# Altium PCB Power_Card_Lahiru.PcbDoc (part 1 of 2)
Units mm, origin at the board's own origin, x right, y up, seen from the top; angles counter-clockwise.
Board outline 100 x 100 mm, 2 copper layers (Top Layer, Bottom Layer), stack 1.595 mm thick; 182 components, 119 nets, 548 pads, 256 vias.
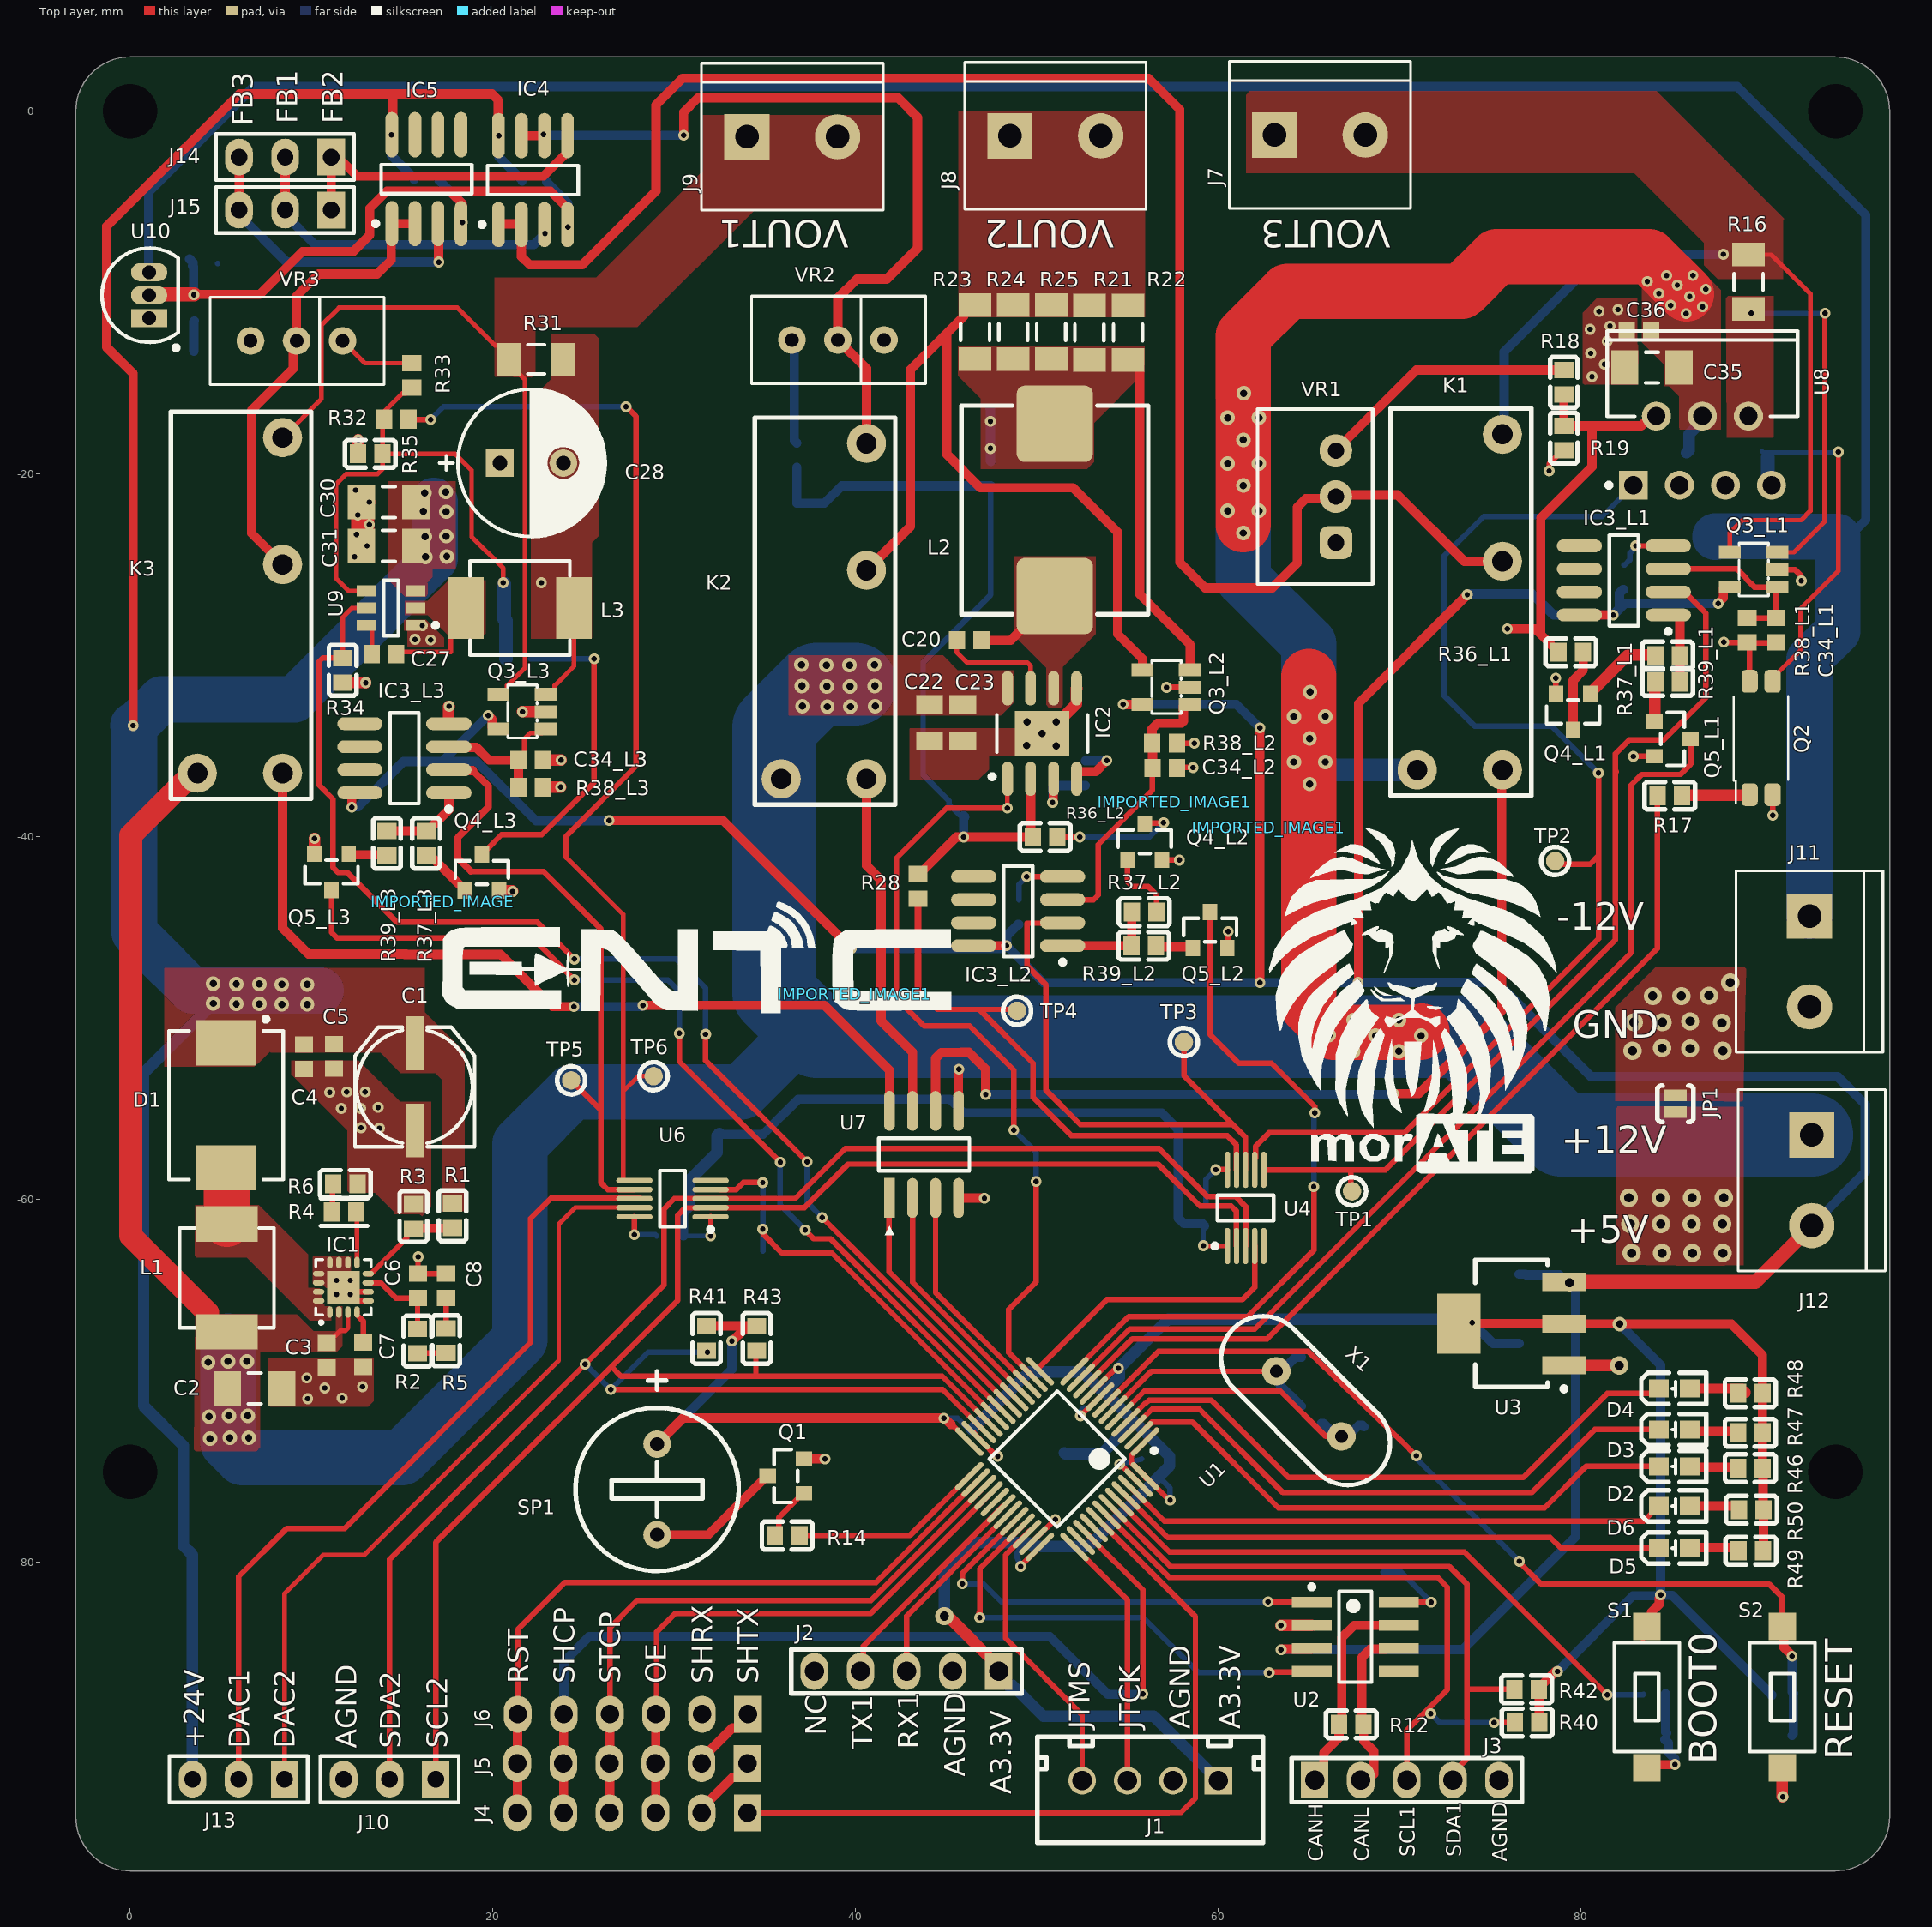
[diagram p0: Top Layer view]
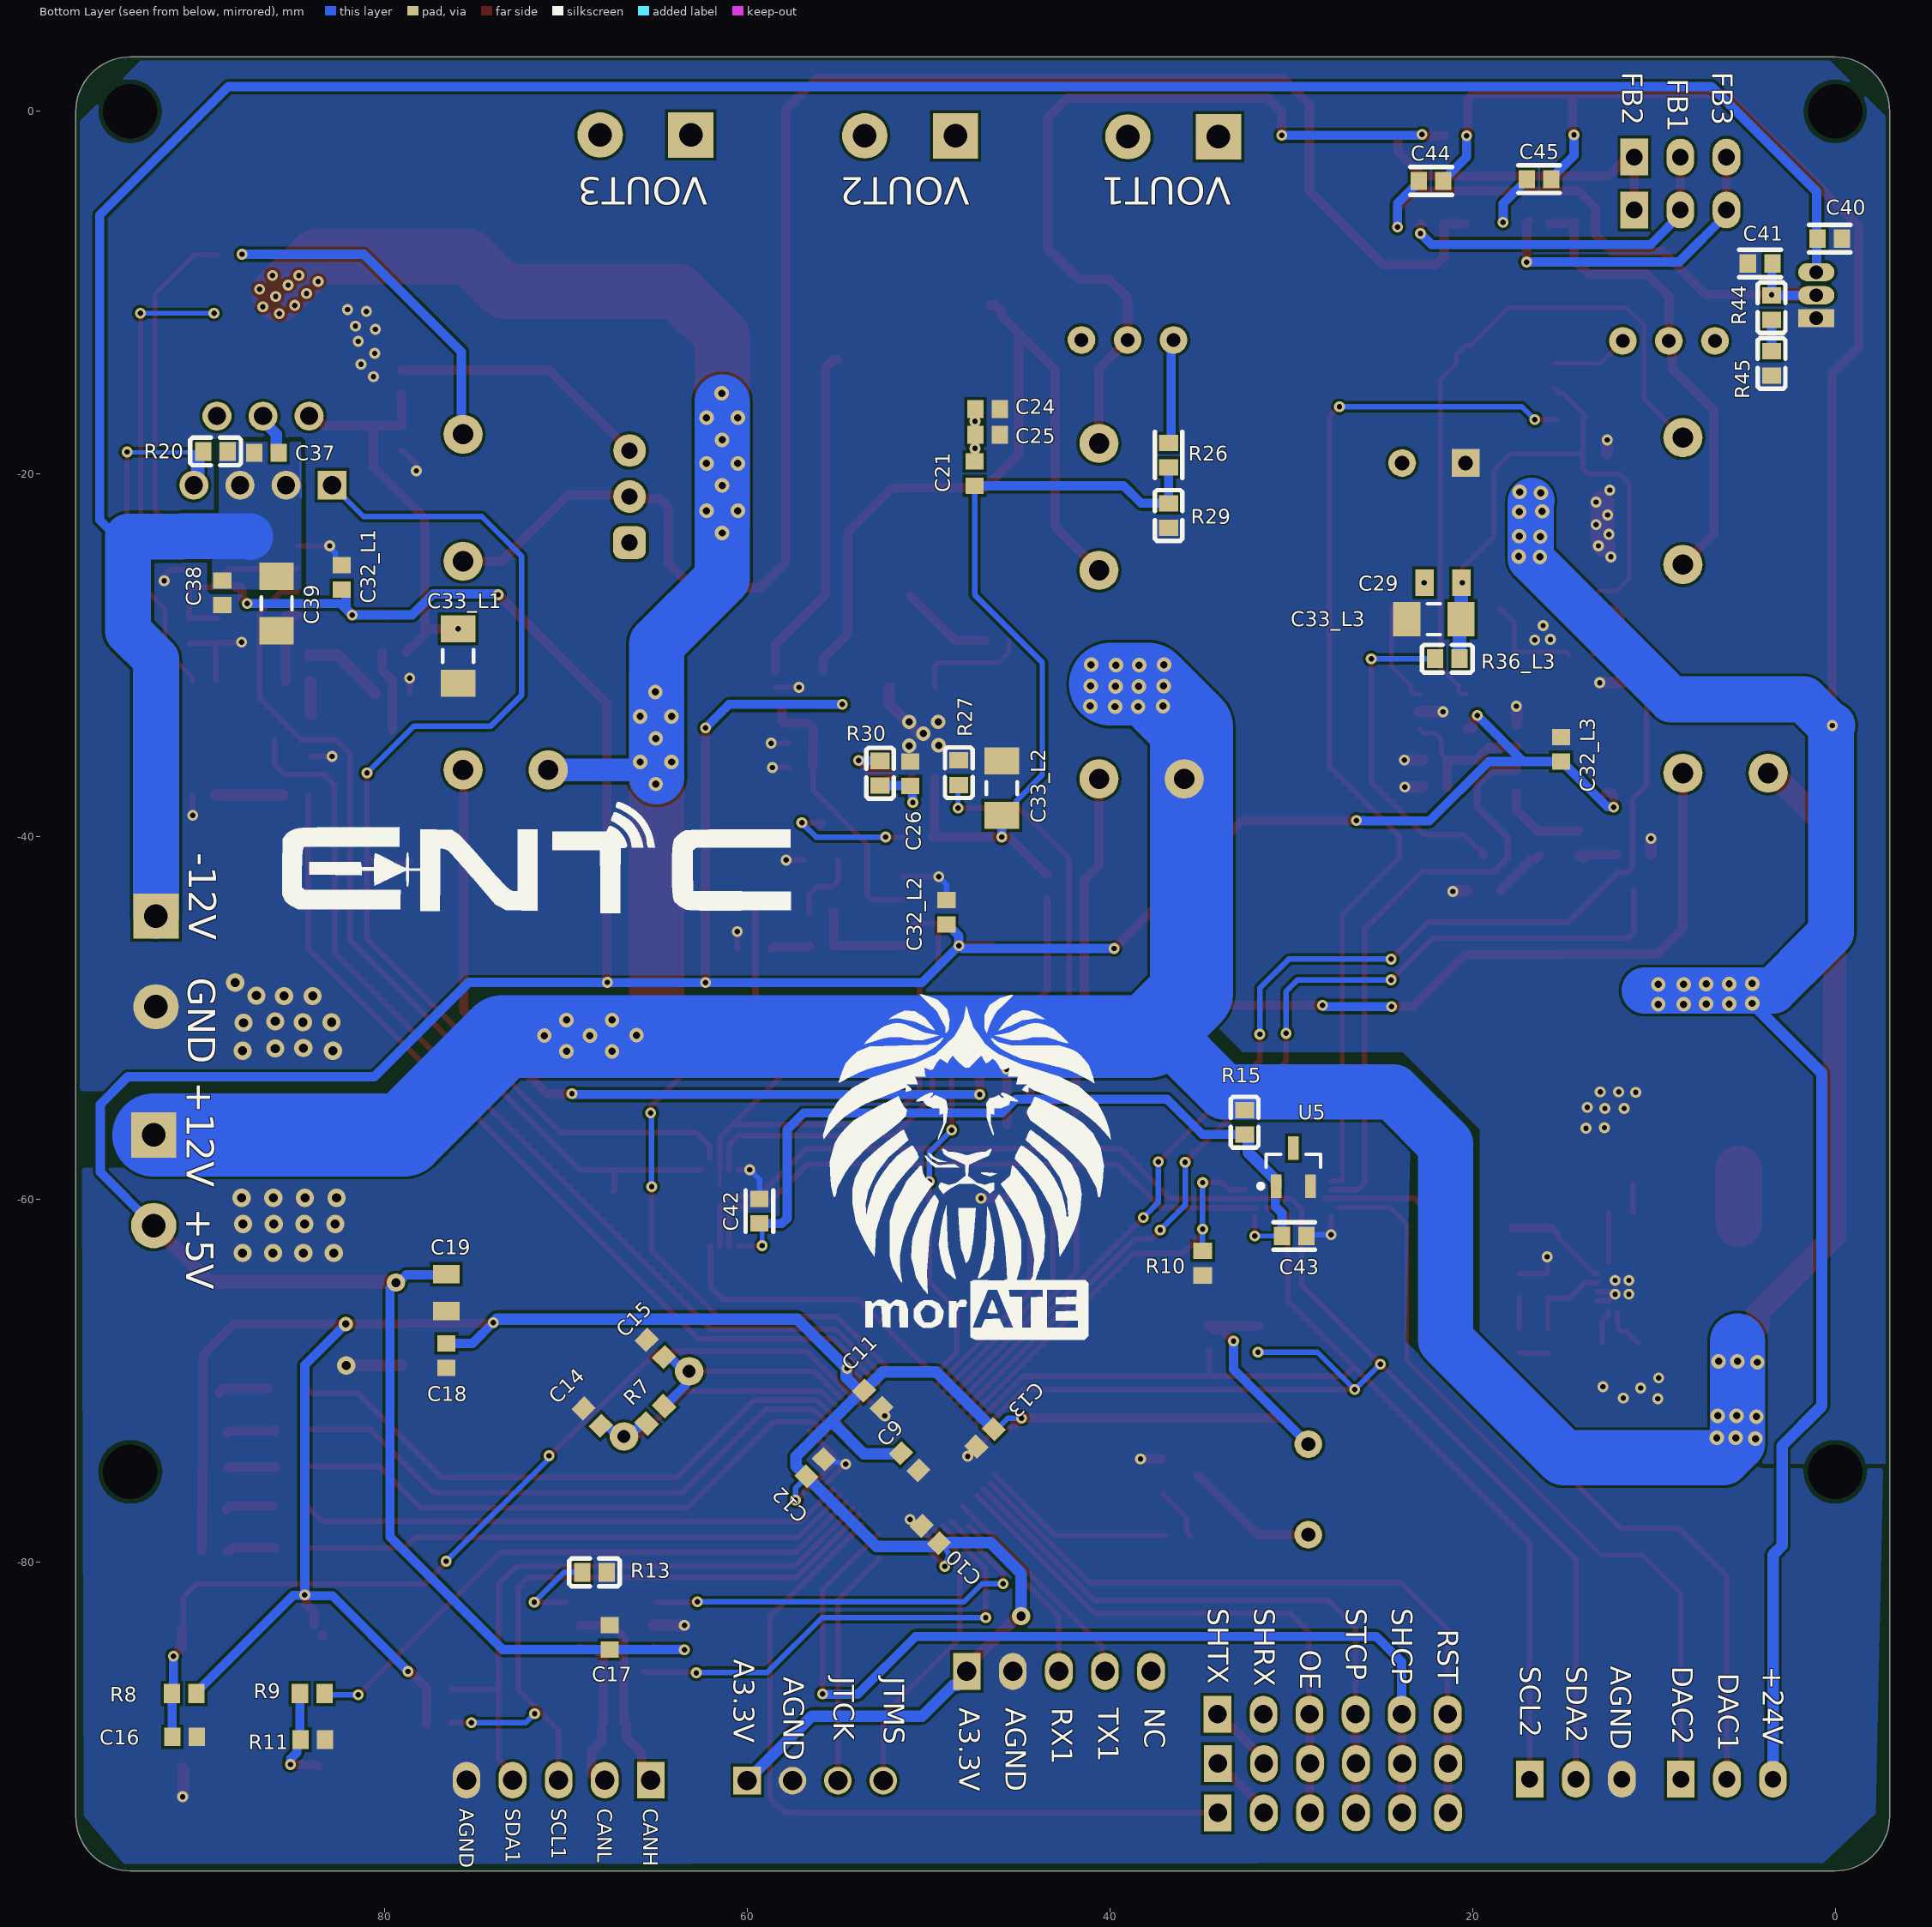
[diagram p1: Bottom Layer view, seen from below]
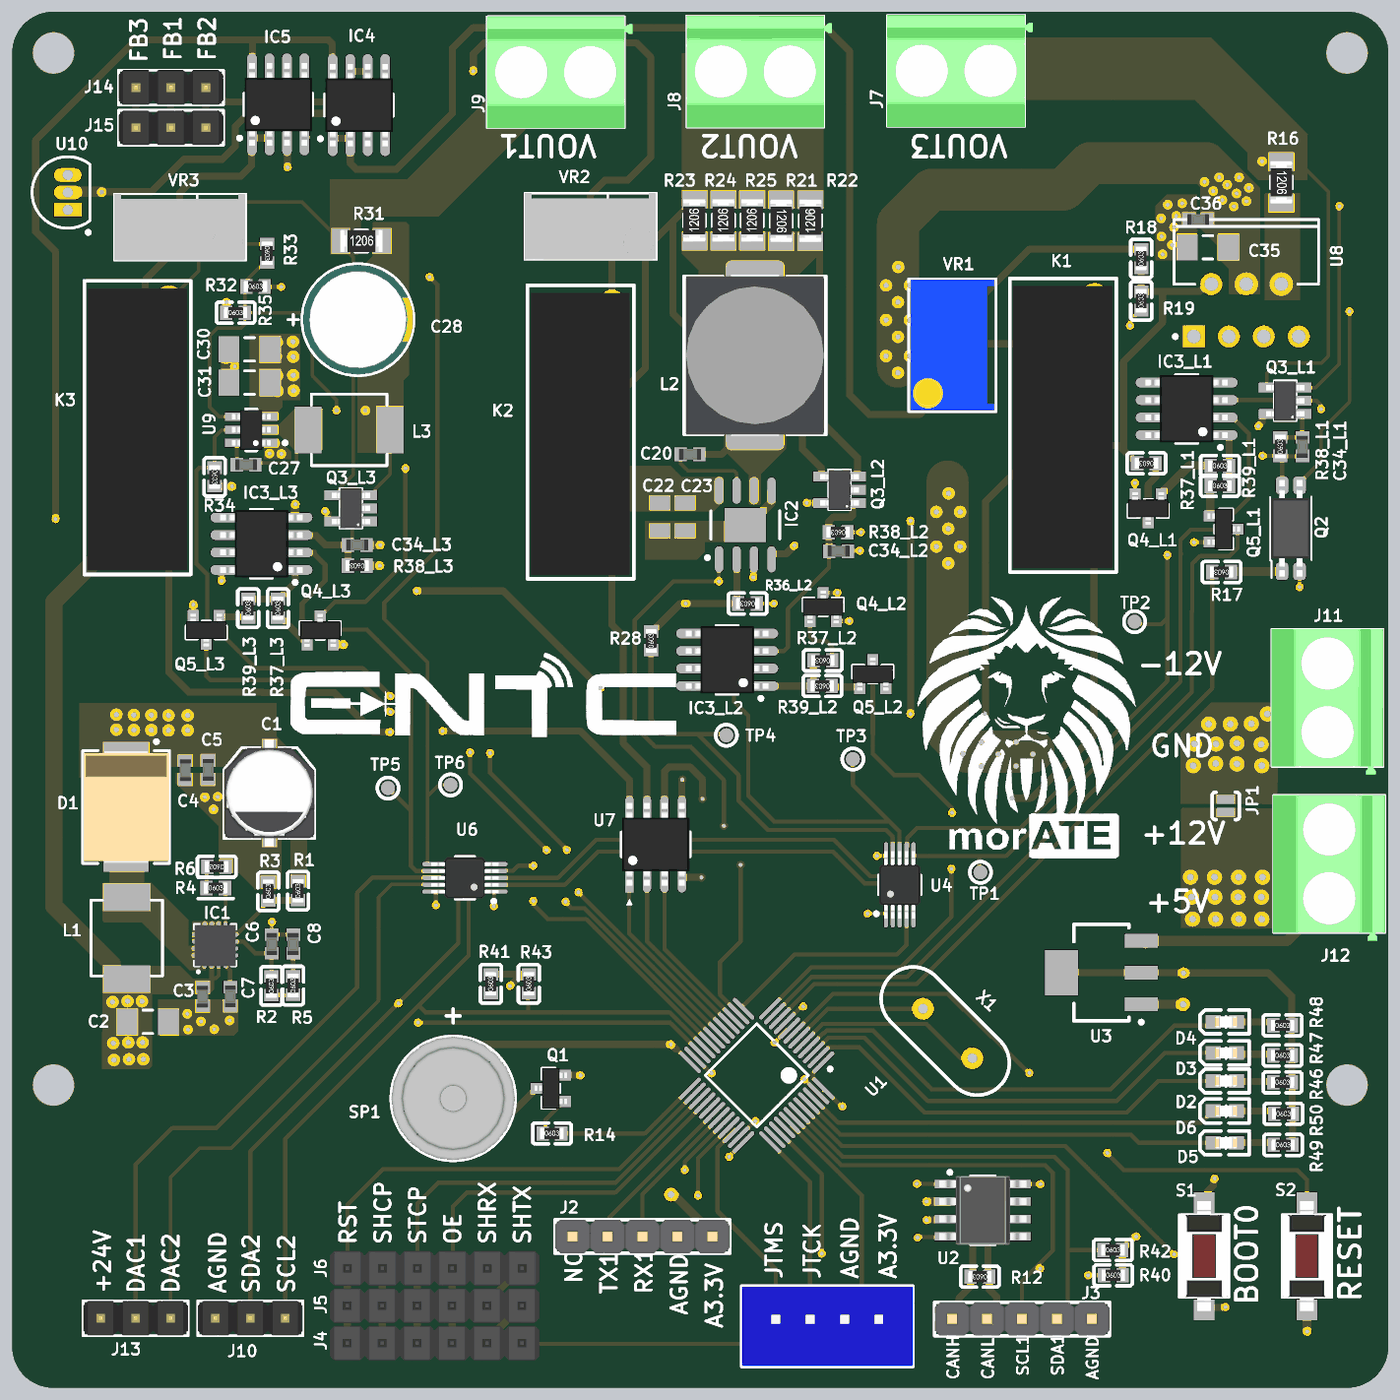
[diagram p3: 3D render of the assembled board from above, using the file's embedded part models]
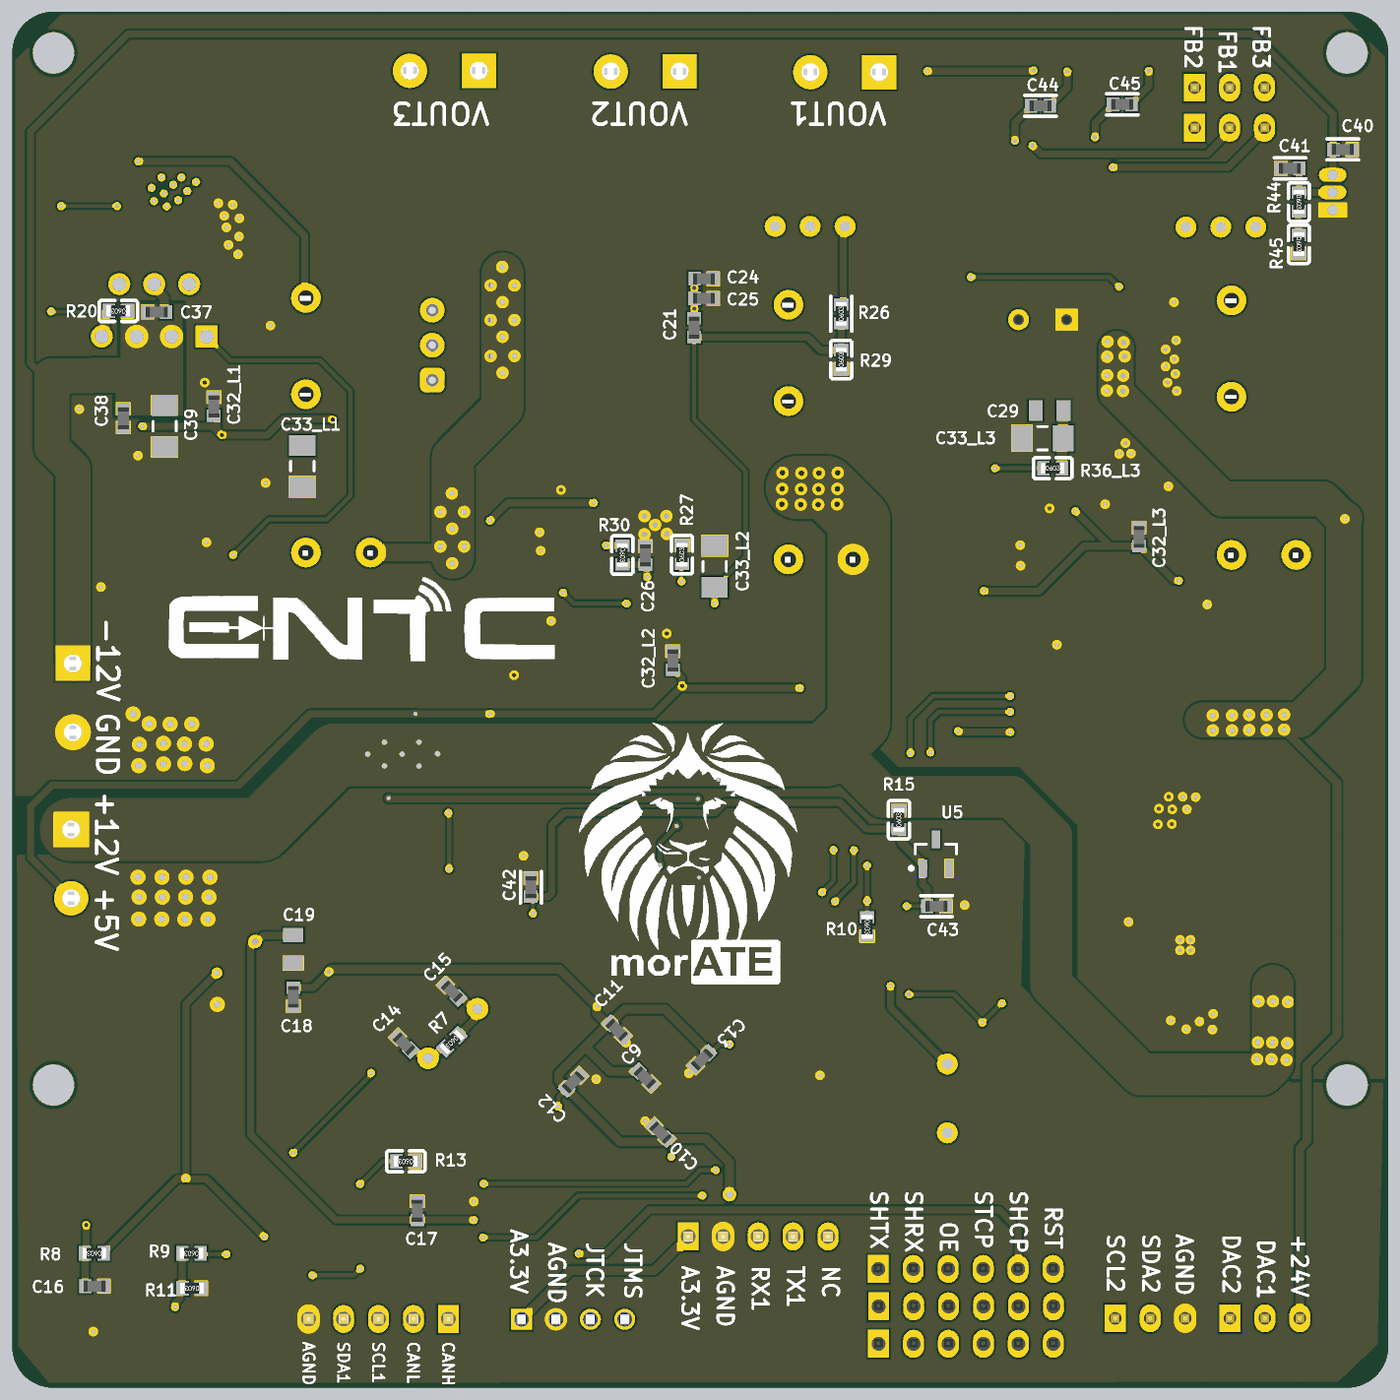
[diagram p4: 3D render of the assembled board from below, using the file's embedded part models]

## Layer stack, top to bottom
Top Solder: solder mask 0.0254, Solder Resist, Dk 3.5
Top Layer: signal copper 0.0356
Dielectric 1: core 1.524, FR-4, Dk 4.6
Bottom Layer: signal copper 0.0356
Bottom Solder: solder mask 0.0254, Solder Resist, Dk 3.5

## Board outline
-3,-94 -3,0 cw(c0,0) 0,3 94,3 cw(c94,0) 97,0 97,-94 cw(c94,-94) 94,-97 0,-97 cw(c0,-94)

## Design rules (kind name [scope] priority, off if disabled: settings)
BoardOutlineClearance [All] p1: gap=0.2 ignorepadtopadclearanceinfootprint=FALSE
Clearance [All] p1: gap=0.152 ignorepadtopadclearanceinfootprint=FALSE except(0.25: Arc-Hole Track-Hole SMDPad-Hole THPad-Hole Via-Hole Fill-Hole Poly-Hole Region-Hole Text-Hole; 0.254: Fill-Fill Fill-Poly Fill-Region Poly-Poly Poly-Region Region-Region)
ComponentClearance [All] p1: gap=0.127 collisioncheckmode=3 verticalgap=0.127 showdistances=TRUE
DiffPairsRouting [All] p1: maxlimit=0.254 minlimit=0.127 mostfreqgap=0.127 toplayer_minwidth=0.127 toplayer_maxwidth=25.4 toplayer_prefwidth=0.127 bottomlayer_minwidth=0.127 bottomlayer_maxwidth=25.4 bottomlayer_prefwidth=0.127 maxuncoupledlength=12.7
Height [All] p1: minheight=0 maxheight=1816.048 prefheight=12.7
HoleSize [All] p1: absolutevalues=TRUE maxlimit=6.3 minlimit=0.3 maxpercent=80.000 minpercent=20.000
HoleToHoleClearance [All] p1: gap=0.25 allowstackedmicrovias=FALSE
MinimumAnnularRing [All] p1: minimumring=0.076
MinimumSolderMaskSliver [All] p1: minsoldermaskwidth=0
PlaneClearance [All] p1: clearance=0.127
PlaneConnect PlaneConnectPowerPads [InPadClass('PowerPads')] p1: planeconnectstyle=Direct reliefexpansion=0.508 reliefentries=4 reliefconductorwidth=0.254 reliefairgap=0.254
PlaneConnect [All] p2: pad.planeconnectstyle=Relief pad.reliefexpansion=0.3 pad.reliefentries=4 pad.reliefconductorwidth=0.127 pad.reliefairgap=0.127 via.planeconnectstyle=Direct via.reliefexpansion=0.3 via.reliefentries=4 via.reliefconductorwidth=0.127 via.reliefairgap=0.127
PolygonConnect PolygonConnectPowerPads [All vs (InPadClass('PowerPads'))] p1: connectstyle=Direct reliefconductorwidth=0.254 reliefentries=4 polygonreliefangle="90 Angle" airgapwidth=0.254
PolygonConnect [All] p2: connectstyle=Direct reliefconductorwidth=0.127 reliefentries=4 polygonreliefangle="90 Angle" airgapwidth=0.127
RoutingVias [All] p1: holewidth=0.3 width=0.6 viastyle="Through Hole" minholewidth=0.3 minwidth=0.6 maxholewidth=0.6 maxwidth=6.6
SilkToBoardRegionClearance SilkToBoardRegionClearance_1 [All] p2:
SilkToSilkClearance [All] p1: silktosilkclearance=0
SilkToSolderMaskClearance [IsPad] p1: minsilkscreentomaskgap=0.127 clearancetoexposedcopper=TRUE
SolderMaskExpansion [All] p1: expansion=0.05
Width [All] p1: maxlimit=25.4 minlimit=0.127 preferedwidth=0.508 minimp=50.000000 maximp=50.000000 favimp=50.000000
20 further rules are at their usual default settings.

## Classes and differential pairs
channel class Power_Supply_Current_Limit: L1 L2 L3
component class PS3: C27 C28 C29 C30 C31 K3 L3 R31 R32 R33 R34 R35 U9 VR3
component class PS2: C20 C21 C22 C23 C24 C25 C26 IC2 K2 L2 R21 R22 R23 R24 R25 R26 R27 R28 R29 R30 VR2
component class PS1: C35 C36 C37 C38 C39 K1 Q2 R16 R17 R18 R19 R20 U8 VR1
component class Power_Card: C40 C41 C42 C43 C44 C45 IC4 IC5 J7 J8 J9 J10 J11 J12 J13 J14 J15 R15 R44 R45 TP1 TP2 TP3 TP4 TP5 TP6 U4 U5 U6 U7 U10
component class MCU: C9 C10 C11 C12 C13 C14 C15 C16 C17 C18 C19 D2 D3 D4 D5 D6 J1 J2 J3 J4 J5 J6 JP1 Q1 R7 R8 R9 R10 R11 R12 R13 R14 R40 R41 R42 R43 R46 R47 R48 R49 R50 S1 S2 SP1 U1 U2 U3 X1
component class L3: C32_L3 C33_L3 C34_L3 IC3_L3 Q3_L3 Q4_L3 Q5_L3 R36_L3 R37_L3 R38_L3 R39_L3
component class L2: C32_L2 C33_L2 C34_L2 IC3_L2 Q3_L2 Q4_L2 Q5_L2 R36_L2 R37_L2 R38_L2 R39_L2
component class L1: C32_L1 C33_L1 C34_L1 IC3_L1 Q3_L1 Q4_L1 Q5_L1 R36_L1 R37_L1 R38_L1 R39_L1
component class 24VBoost: C1 C2 C3 C4 C5 C6 C7 C8 D1 IC1 L1 R1 R2 R3 R4 R5 R6

## Components (designator, comment, footprint, x,y, rotation, side; value= is the part's Value field where it differs from the comment)
C1 "22uF" PCB-jngp9cavmssoy37xiwaz-1 15.69,-53.777 r90 top
C2 "10uF" CAPC3216X127X50ML20T25 6.85,-70.409 r180 top
C3 "100nF" CAPC1608X09N 10.838,-68.58 r270 top
C4 "1uF" CAPC1608X09N 9.576,-52.121 r90 top
C5 "1uF" CAPC1608X09N 11.238,-52.095 r90 top
C6 "1.5nF" CAPC1608X09N 15.867,-64.745 r270 top
C7 "22nF" CAPC1608X09N 12.844,-68.555 r90 top
C8 "47nF" CAPC1608X09N 17.417,-64.75 r270 top
C9 "4.7uF" CAPC1608X09N 51.029,-74.447 r45 bottom
C10 "100nF" CAPC1608X09N 49.891,-78.455 r225 bottom
C11 "100nF" CAPC1608X09N 53.061,-70.993 r45 bottom
C12 "100nF" CAPC1608X09N 56.236,-74.778 r315 bottom
C13 "100nF" CAPC1608X09N 46.868,-73.132 r135 bottom
C14 "20pF" CAPC1608X09N 68.529,-71.984 r45 bottom
C15 "20pF" CAPC1608X09N 65.049,-68.199 r45 bottom
C16 "100nF" CAPC1608X09N 91.008,-89.611 r0 bottom
C17 "100nF" CAPC1608X09N 67.564,-84.125 r270 bottom
C18 "22uF" CAPC1608X09N 76.573,-68.591 r90 bottom
C19 "10uF" C0805 76.573,-65.122 r90 bottom
C20 "100nF" CAPC1608X09N 46.253,-29.159 r180 top
C21 "5pF" CAPC1608X09N 47.447,-19.964 r90 bottom
C22 "10uF" C0805 44.061,-33.706 r90 top
C23 "10uF" C0805 45.898,-33.706 r90 top
C24 "22uF" CAPC1608X09N 46.732,-16.408 r0 bottom
C25 "22uF" CAPC1608X09N 46.736,-17.831 r0 bottom
C26 "470nF" CAPC1608X09N 50.987,-36.507 r270 bottom
C27 "100nF" CAPC1608X09N 13.995,-29.921 r180 top
C28 "100uF" PCB-qvt8zv9h5ffid452gs9x-1 22.123,-19.38 r0 top
C29 "150pF" C0805 21.615,-25.984 r0 bottom
C30 "10uF" CAPC3216X127X50ML20T25 14.249,-21.539 r0 top
C31 "10uF" CAPC3216X127X50ML20T25 14.249,-23.952 r0 top
C32_L1 "100nF" CAPC1608X09N 82.347,-25.682 r270 bottom (schematic designator C32)
C32_L2 "100nF" CAPC1608X09N 48.997,-44.145 r270 bottom (schematic designator C32)
C32_L3 "100nF" CAPC1608X09N 15.113,-35.162 r270 bottom (schematic designator C32)
C33_L1 "10uF" CAPC3216X127X50ML20T25 75.921,-30.023 r90 bottom (schematic designator C33)
C33_L2 "10uF" CAPC3216X127X50ML20T25 45.949,-37.313 r270 bottom (schematic designator C33)
C33_L3 "10uF" CAPC3216X127X50ML20T25 22.123,-27.991 r180 bottom (schematic designator C33)
C34_L1 "100pF" CAPC1608X09N 90.754,-28.6 r90 top (schematic designator C34)
C34_L2 "100pF" CAPC1608X09N 57.045,-36.201 r180 top (schematic designator C34)
C34_L3 "100pF" CAPC1608X09N 22.073,-35.757 r180 top (schematic designator C34)
C35 "10uF" CAPC3216X127X50ML20T25 83.896,-14.122 r0 top
C36 "100nF" CAPC1608X09N 83.182,-12.106 r0 top
C37 "10nF" CAPC1608X09N 86.487,-18.821 r180 bottom
C38 "100nF" CAPC1608X09N 88.925,-26.543 r90 bottom
C39 "10uF" CAPC3216X127X50ML20T25 85.928,-27.127 r90 bottom
C40 "1uF" CAPC1608X09N 0.305,-7.01 r0 bottom
C41 "4.7uF" CAPC1608X09N 4.14,-8.382 r180 bottom
C42 "100nF" CAPC1608X09N 59.309,-60.63 r90 bottom
C43 "100nF" CAPC1608X09N 29.82,-62.001 r0 bottom
C44 "100nF" CAPC1608X09N 22.276,-3.835 r180 bottom
C45 "100nF" CAPC1608X09N 16.332,-3.734 r180 bottom
D1 "" PCB-z3532lqu4iri8rzc55ux-1 5.403,-54.793 r270 top
D2 "Green" "PCBComponent_1 - duplicate" 84.277,-74.701 r0 top
D3 "Green" "PCBComponent_1 - duplicate" 84.277,-72.669 r0 top
D4 "Green" "PCBComponent_1 - duplicate" 84.277,-70.409 r0 top
D5 "Green" "PCBComponent_1 - duplicate" 84.277,-79.197 r0 top
D6 "Green" "PCBComponent_1 - duplicate" 84.277,-76.886 r0 top
IC1 "TPS55340RTER" "VfQFPN 3x3x1.0 16L" 11.753,-64.826 r90 top
IC2 "TPS56528DDAR" PCB-duyb6heo4lj5grkfxin6-1 50.276,-34.297 r90 top
IC3_L1 "LM358DT" SOIC-OA8_M 82.347,-25.857 r180 top (schematic designator IC3)
IC3_L2 "LM358DT" SOIC-OA8_M 48.957,-44.094 r180 top (schematic designator IC3)
IC3_L3 "LM358DT" SOIC-OA8_M 15.113,-35.662 r180 top (schematic designator IC3)
IC4 "LM358DT" SOIC-OA8_M 22.2,-3.785 r90 top
IC5 "LM358DT" SOIC-OA8_M 16.332,-3.734 r90 top
IMPORTED_IMAGE "Comment" IMPORTED_IMAGE 17.221,-43.586 r0 top
IMPORTED_IMAGE1 "Comment" IMPORTED_IMAGE 39.937,-48.659 r0 top (schematic designator IMPORTED_IMAGE)
IMPORTED_IMAGE1 "Comment" IMPORTED_IMAGE 62.772,-39.49 r0 top (schematic designator IMPORTED_IMAGE)
IMPORTED_IMAGE1 "Comment" IMPORTED_IMAGE 57.582,-38.075 r0 top (schematic designator IMPORTED_IMAGE)
J1 "CMP-a6466f3bff057981-11" PCB-z52whxwf67d3eu6gna8s-1 56.236,-92.024 r180 top
J2 "TE Connectivity / AMP 3-644456-5" PCB-rnlen50cc5tt6vc22c1r-1 42.799,-86.055 r180 top
J3 "TE Connectivity / AMP 3-644456-5" PCB-rnlen50cc5tt6vc22c1r-1 70.383,-91.948 r0 top
J4 "CMP-7ab1b1e1ad8ca576-12" PCB-oudem42uhcimrbfznktg-1 28.963,-93.802 r180 top
J5 "CMP-7ab1b1e1ad8ca576-12" PCB-oudem42uhcimrbfznktg-1 28.956,-91.084 r180 top
J6 "CMP-7ab1b1e1ad8ca576-12" PCB-oudem42uhcimrbfznktg-1 28.981,-88.367 r180 top
J7 "DB126V-5.0-2P-GN" PCB-kiok1jlp9o9fcwf1wwvf-1 65.594,-1.295 r180 top
J8 "DB126V-5.0-2P-GN" PCB-kiok1jlp9o9fcwf1wwvf-1 51.003,-1.346 r180 top
J9 "DB126V-5.0-2P-GN" PCB-kiok1jlp9o9fcwf1wwvf-1 36.5,-1.397 r180 top locked
J10 "M20-9990346" "PIN_3x1_STR (2.54mm)" 16.84,-91.948 r180 top
J11 "DB126V-5.0-2P-GN" PCB-kiok1jlp9o9fcwf1wwvf-1 92.583,-46.863 r90 top locked
J12 "DB126V-5.0-2P-GN" PCB-kiok1jlp9o9fcwf1wwvf-1 92.71,-58.928 r90 top locked
J13 "M20-9990346" "PIN_3x1_STR (2.54mm)" 8.509,-91.948 r180 top
J14 "M20-9990346" "PIN_3x1_STR (2.54mm)" 11.074,-2.515 r180 top
J15 "M20-9990346" "PIN_3x1_STR (2.54mm)" 11.074,-5.436 r180 top
JP1 "Jumper Pad" PCB-sjva3kmaxrqfkswkvsp7-1 85.192,-54.712 r90 top
K1 "3A Relay" PCB-ei6nokn2irsc2a7yt94x-1 73.304,-27.051 r90 top
K2 "3A Relay" PCB-ei6nokn2irsc2a7yt94x-1 38.239,-27.548 r90 top
K3 "3A Relay" PCB-ei6nokn2irsc2a7yt94x-1 6.045,-27.229 r90 top
L1 "10uH 3.6A" PCB-aqghgth2fl3irtnr7nhi-1 5.326,-64.313 r90 top
L2 "3.3uH" PCB-grsryisdn8451x3s484y-1 50.978,-21.971 r90 top
L3 "10uH 3.6A" PCB-aqghgth2fl3irtnr7nhi-1 21.488,-27.381 r0 top
Q1 "MMBT3904LT1G" SOT-23 36.144,-75.235 r180 top
Q2 "Part" PCB-tryrgihdrozpg2dv6q87-1 89.916,-34.544 r90 top
Q3_L1 "NPN" PCB-h3r3bzz71pyabhalkrge-1 89.51,-25.273 r90 top (schematic designator Q3)
Q3_L2 "NPN" PCB-h3r3bzz71pyabhalkrge-1 57.125,-31.75 r90 top (schematic designator Q3)
Q3_L3 "NPN" PCB-h3r3bzz71pyabhalkrge-1 21.615,-33.096 r90 top (schematic designator Q3)
Q4_L1 "MMBT3904LT1G" SOT-23 79.553,-33.096 r270 top (schematic designator Q4)
Q4_L2 "MMBT3904LT1G" SOT-23 55.931,-40.259 r90 top (schematic designator Q4)
Q4_L3 "MMBT3904LT1G" SOT-23 19.38,-41.961 r90 top (schematic designator Q4)
Q5_L1 "MMBT3904LT1G" SOT-23 85.039,-34.595 r0 top (schematic designator Q5)
Q5_L2 "MMBT3904LT1G" SOT-23 59.538,-45.136 r90 top (schematic designator Q5)
Q5_L3 "MMBT3904LT1G" SOT-23 11.1,-41.935 r270 top (schematic designator Q5)
R1 "187k" gen0603-2 17.772,-60.884 r90 top
R2 "1k" gen0603-2 15.842,-67.793 r90 top
R3 "10k" gen0603-2 15.613,-60.924 r90 top
R4 "51k" PCB-3ELF45QDQIZOABMCZRXC-1 11.788,-60.681 r0 top
R5 "1k" gen0603-2 17.416,-67.767 r90 top
R6 "10k" gen0603-2 11.854,-59.131 r180 top
R7 "1M" PCB-3elf45qdqizoabmczrxc-1 65.049,-71.857 r315 bottom
R8 "47k" PCB-3elf45qdqizoabmczrxc-1 91.034,-87.224 r0 bottom
R9 "47k" PCB-3elf45qdqizoabmczrxc-1 83.972,-87.224 r0 bottom
R10 "47k" PCB-3elf45qdqizoabmczrxc-1 34.874,-63.5 r270 bottom
R11 "47k" PCB-3elf45qdqizoabmczrxc-1 83.938,-89.764 r0 bottom
R12 "100" gen0603-2 67.325,-88.925 r180 top
R13 "10k" gen0603-2 68.402,-80.543 r0 bottom
R14 "1k" gen0603-2 36.22,-78.511 r0 top
R15 "1k" gen0603-2 32.563,-55.728 r90 bottom
R16 "0.1" RESC3116X07M 89.23,-9.398 r270 top
R17 "1k" gen0603-2 84.887,-37.719 r180 top
R18 "14.3k" gen0603-2 79.045,-14.935 r90 top
R19 "10k" gen0603-2 79.045,-18.009 r90 top
R20 "10k" gen0603-2 89.296,-18.745 r0 bottom
R21 "0.1" RESC3116X07M 52.883,-12.192 r270 top
R22 "0.1" RESC3116X07M 55.016,-12.192 r90 top
R23 "0.1" RESC3116X07M 46.584,-12.167 r90 top
R24 "0.1" RESC3116X07M 48.685,-12.167 r90 top
R25 "0.1" RESC3116X07M 50.775,-12.167 r90 top
R26 "51k" PCB-3ELF45QDQIZOABMCZRXC-1 36.754,-18.948 r90 bottom
R27 "10k" gen0603-2 48.32,-36.456 r90 bottom
R28 "24k" PCB-3elf45qdqizoabmczrxc-1 43.434,-42.723 r90 top
R29 "10k" gen0603-2 36.754,-22.276 r90 bottom
R30 "105k" gen0603-2 52.664,-36.482 r270 bottom
R31 "0.1" RESC3116X07M 22.377,-13.665 r0 top